# KiCad board dacboard.kicad_pcb
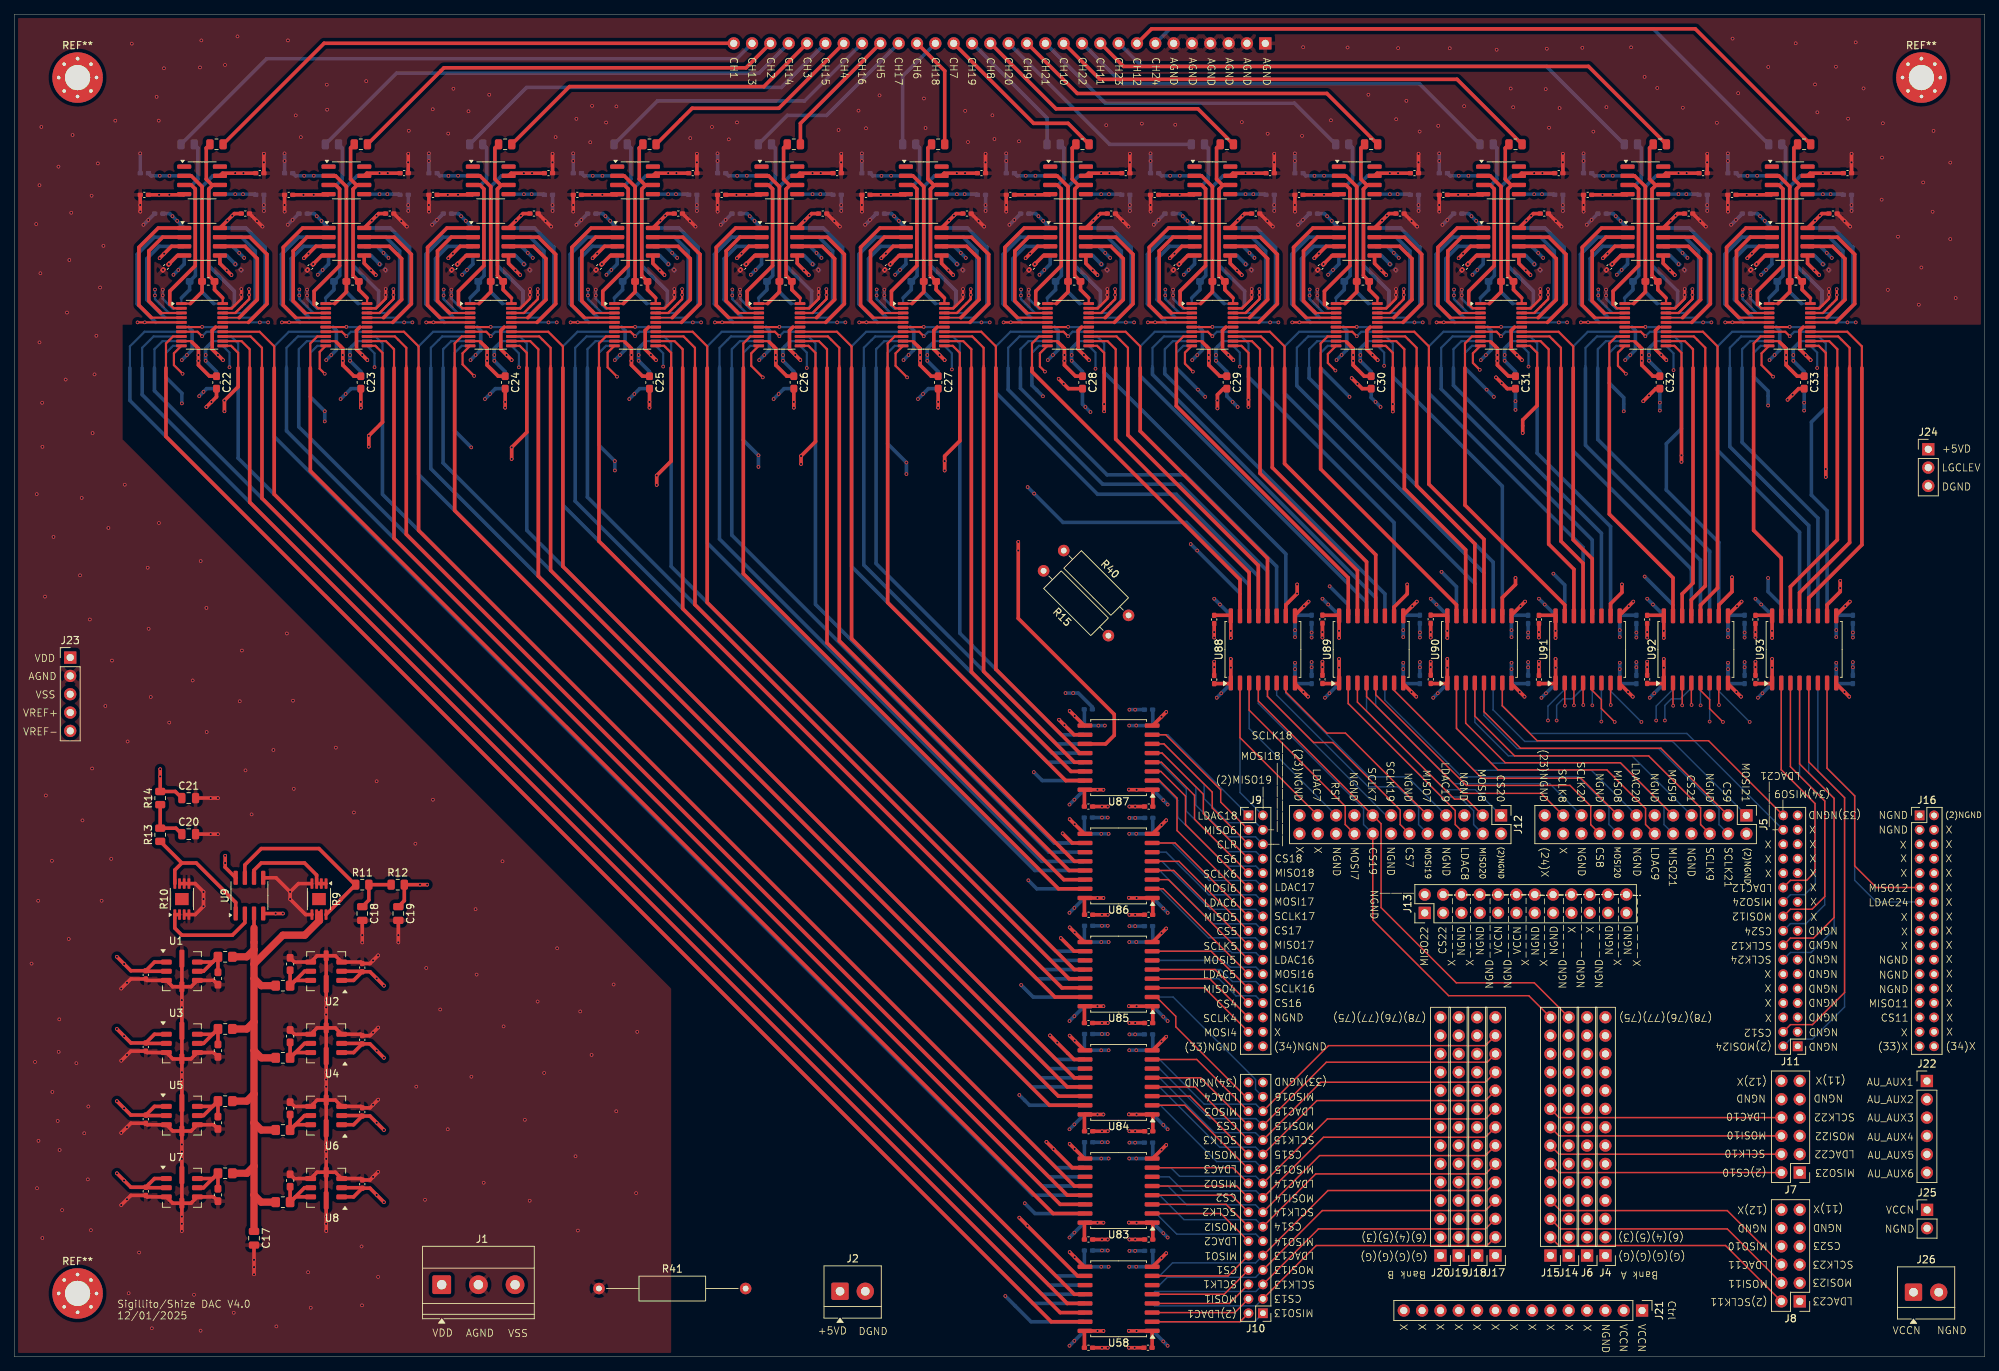
[diagram p0: board, top side]
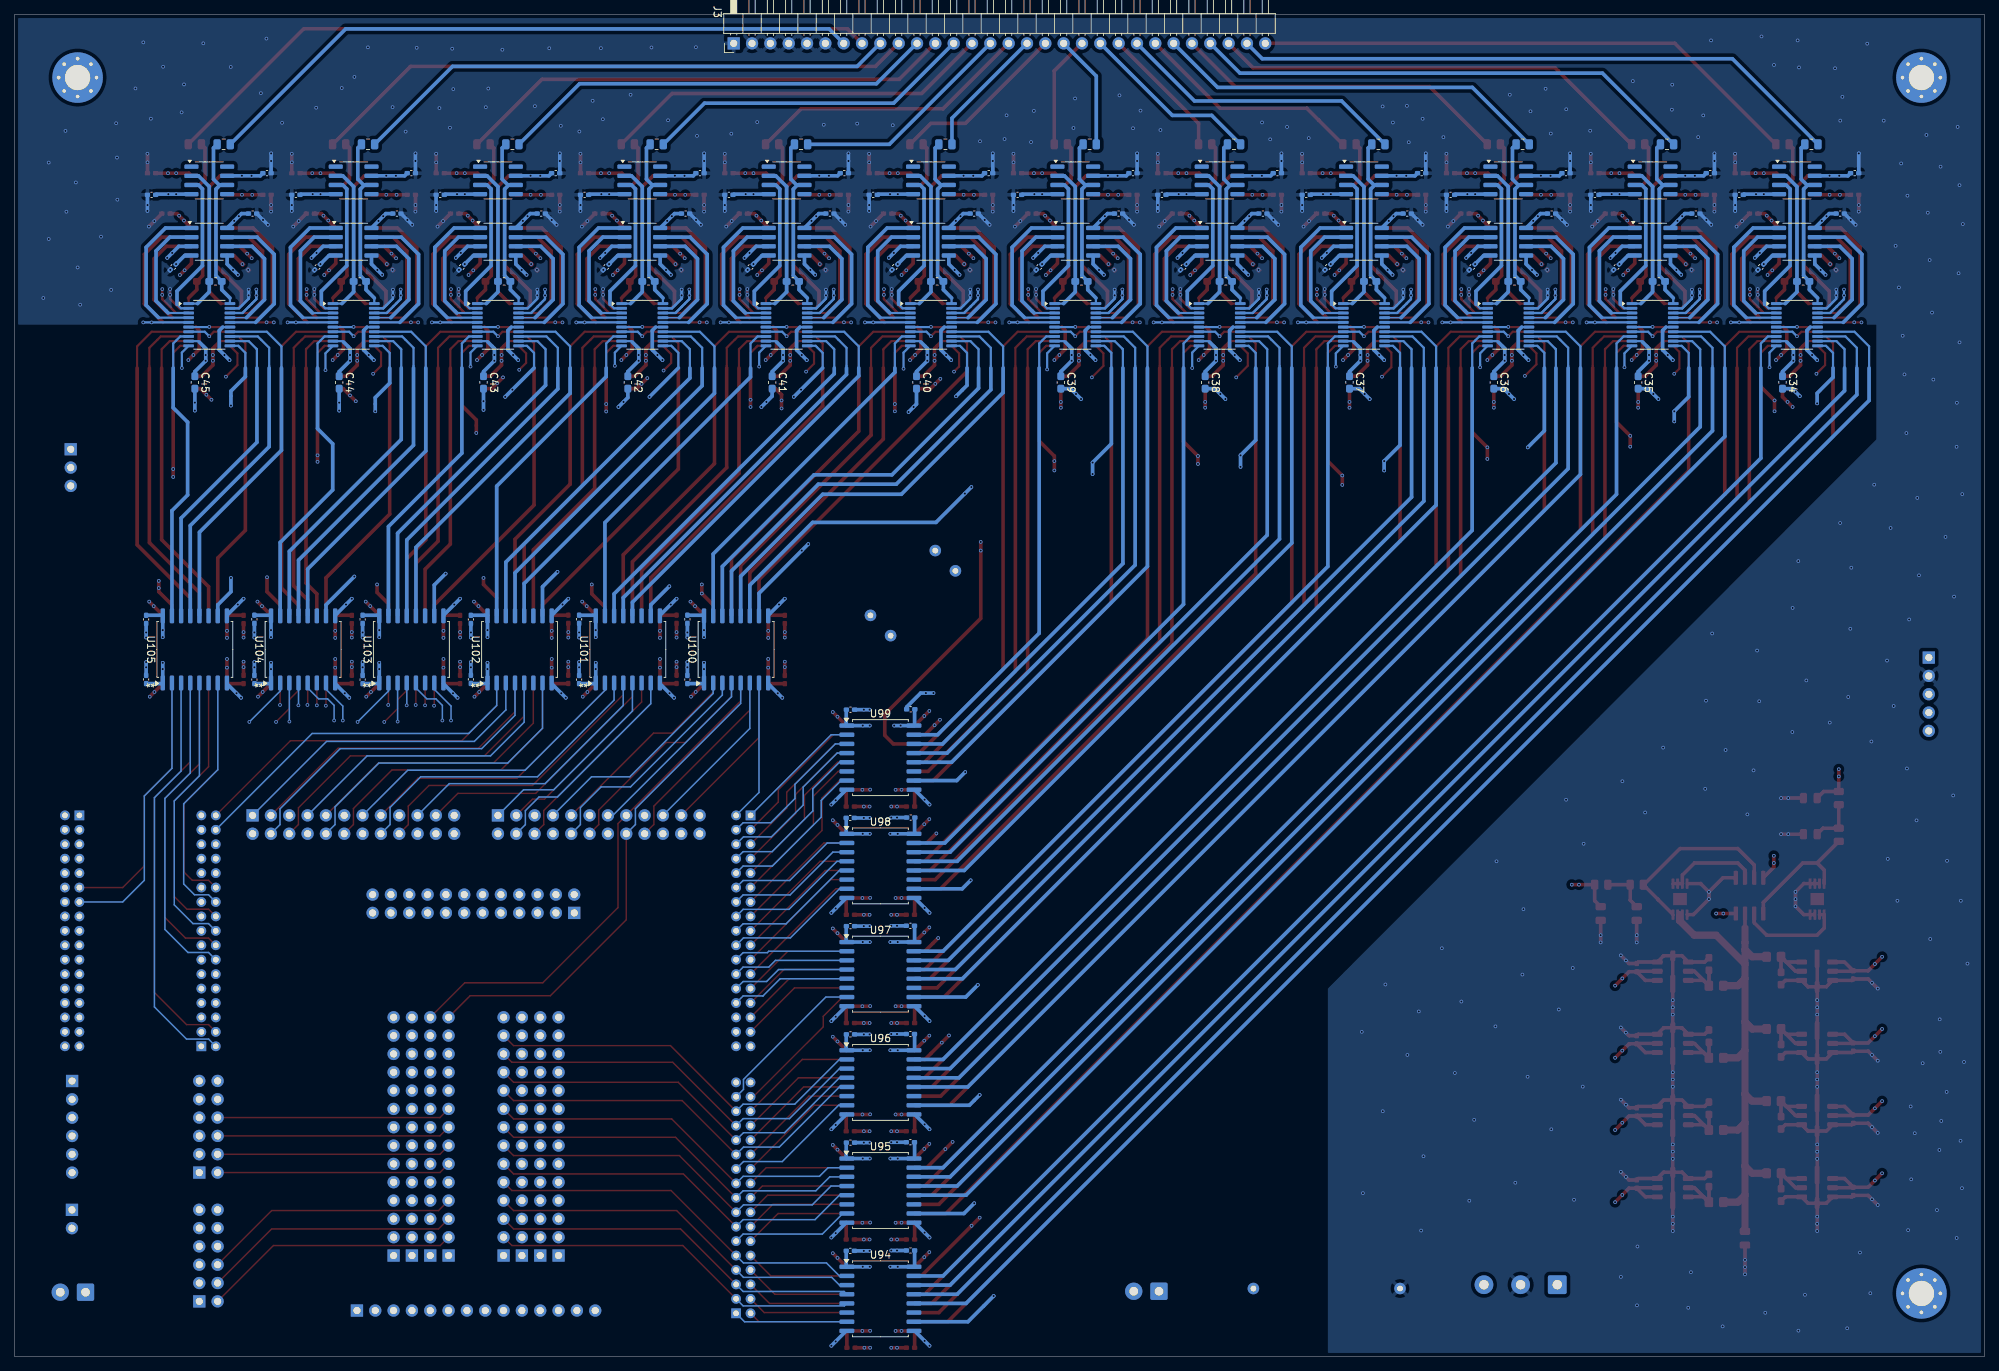
[diagram p1: board, bottom side, seen from below]

Outline 273 x 186 mm; copper layers: Top, In1.Cu, In2.Cu, In3.Cu, In4.Cu, In5.Cu, In6.Cu, In7.Cu, In8.Cu, In9.Cu, In10.Cu, In11.Cu, In12.Cu, Bottom. Coordinates in mm from the lower left corner of the outline.
Outline path: rectangle 0,186 273,0
Stack: Top 0.035mm / dielectric 0.0838mm FR4 er 4.5 / In1.Cu 0.035mm / dielectric 0.0838mm FR4 er 4.5 / In2.Cu 0.035mm / dielectric 0.0838mm FR4 er 4.5 / In3.Cu 0.035mm / dielectric 0.0838mm FR4 er 4.5 / In4.Cu 0.035mm / dielectric 0.0838mm FR4 er 4.5 / In5.Cu 0.035mm / dielectric 0.0838mm FR4 er 4.5 / In6.Cu 0.035mm / dielectric 0.0838mm FR4 er 4.5 / In7.Cu 0.035mm / dielectric 0.0838mm FR4 er 4.5 / In8.Cu 0.035mm / dielectric 0.0838mm FR4 er 4.5 / In9.Cu 0.035mm / dielectric 0.0838mm FR4 er 4.5 / In10.Cu 0.035mm / dielectric 0.0838mm FR4 er 4.5 / In11.Cu 0.035mm / dielectric 0.0838mm FR4 er 4.5 / In12.Cu 0.035mm / dielectric 0.0838mm FR4 er 4.5 / Bottom 0.035mm

## Placement (name value [footprint] x y rotation side)
C1  0.1uF  [C_0402_1005Metric_Pad0.74x0.62mm_HandSolder]  18.2 52.9 270 top
C2  10uF  [C_0603_1608Metric_Pad1.08x0.95mm_HandSolder]  28.2 52.4 270 top
C3  0.1uF  [C_0402_1005Metric_Pad0.74x0.62mm_HandSolder]  48.2 53.9 90 top
C4  10uF  [C_0603_1608Metric_Pad1.08x0.95mm_HandSolder]  38.2 54.4 90 top
C5  0.1uF  [C_0402_1005Metric_Pad0.74x0.62mm_HandSolder]  18.2 42.9 270 top
C6  10uF  [C_0603_1608Metric_Pad1.08x0.95mm_HandSolder]  28.2 42.4 270 top
C7  0.1uF  [C_0402_1005Metric_Pad0.74x0.62mm_HandSolder]  48.2 43.9 90 top
C8  10uF  [C_0603_1608Metric_Pad1.08x0.95mm_HandSolder]  38.2 44.4 90 top
C9  0.1uF  [C_0402_1005Metric_Pad0.74x0.62mm_HandSolder]  18.2 32.9 270 top
C10  10uF  [C_0603_1608Metric_Pad1.08x0.95mm_HandSolder]  28.2 32.4 270 top
C11  0.1uF  [C_0402_1005Metric_Pad0.74x0.62mm_HandSolder]  48.2 33.9 90 top
C12  10uF  [C_0603_1608Metric_Pad1.08x0.95mm_HandSolder]  38.2 34.4 90 top
C13  0.1uF  [C_0402_1005Metric_Pad0.74x0.62mm_HandSolder]  18.2 22.9 270 top
C14  10uF  [C_0603_1608Metric_Pad1.08x0.95mm_HandSolder]  28.2 22.4 270 top
C15  0.1uF  [C_0402_1005Metric_Pad0.74x0.62mm_HandSolder]  48.2 23.9 90 top
C16  10uF  [C_0603_1608Metric_Pad1.08x0.95mm_HandSolder]  38.2 24.4 90 top
C17  C  [C_0805_2012Metric]  33.2 16.4 270 top
C18  C  [C_0805_2012Metric]  48.2 61.4 270 top
C19  C  [C_0805_2012Metric]  53.2 61.4 270 top
C20  C  [C_0805_2012Metric]  24.15 72.4 0 top
C21  C  [C_0805_2012Metric]  24.15 77.4 0 top
C22  10uF  [C_0603_1608Metric_Pad1.08x0.95mm_HandSolder]  28 135 270 top
C23  10uF  [C_0603_1608Metric_Pad1.08x0.95mm_HandSolder]  48 135 270 top
C24  10uF  [C_0603_1608Metric_Pad1.08x0.95mm_HandSolder]  68 135 270 top
C25  10uF  [C_0603_1608Metric_Pad1.08x0.95mm_HandSolder]  88 135 270 top
C26  10uF  [C_0603_1608Metric_Pad1.08x0.95mm_HandSolder]  108 135 270 top
C27  10uF  [C_0603_1608Metric_Pad1.08x0.95mm_HandSolder]  128 135 270 top
C28  10uF  [C_0603_1608Metric_Pad1.08x0.95mm_HandSolder]  148 135 270 top
C29  10uF  [C_0603_1608Metric_Pad1.08x0.95mm_HandSolder]  168 135 270 top
C30  10uF  [C_0603_1608Metric_Pad1.08x0.95mm_HandSolder]  188 135 270 top
C31  10uF  [C_0603_1608Metric_Pad1.08x0.95mm_HandSolder]  208 135 270 top
C32  10uF  [C_0603_1608Metric_Pad1.08x0.95mm_HandSolder]  228 135 270 top
C33  10uF  [C_0603_1608Metric_Pad1.08x0.95mm_HandSolder]  248 135 270 top
C34  10uF  [C_0603_1608Metric_Pad1.08x0.95mm_HandSolder]  28 135 270 bottom
C35  10uF  [C_0603_1608Metric_Pad1.08x0.95mm_HandSolder]  48 135 270 bottom
C36  10uF  [C_0603_1608Metric_Pad1.08x0.95mm_HandSolder]  68 135 270 bottom
C37  10uF  [C_0603_1608Metric_Pad1.08x0.95mm_HandSolder]  88 135 270 bottom
C38  10uF  [C_0603_1608Metric_Pad1.08x0.95mm_HandSolder]  108 135 270 bottom
C39  10uF  [C_0603_1608Metric_Pad1.08x0.95mm_HandSolder]  128 135 270 bottom
C40  10uF  [C_0603_1608Metric_Pad1.08x0.95mm_HandSolder]  148 135 270 bottom
C41  10uF  [C_0603_1608Metric_Pad1.08x0.95mm_HandSolder]  168 135 270 bottom
C42  10uF  [C_0603_1608Metric_Pad1.08x0.95mm_HandSolder]  188 135 270 bottom
C43  10uF  [C_0603_1608Metric_Pad1.08x0.95mm_HandSolder]  208 135 270 bottom
C44  10uF  [C_0603_1608Metric_Pad1.08x0.95mm_HandSolder]  228 135 270 bottom
C45  10uF  [C_0603_1608Metric_Pad1.08x0.95mm_HandSolder]  248 135 270 bottom
C46  C  [C_0402_1005Metric_Pad0.74x0.62mm_HandSolder]  32 158.4 0 top
C47  10pF  [C_0603_1608Metric_Pad1.08x0.95mm_HandSolder]  26.86 149 0 top
C48  10pF  [C_0603_1608Metric_Pad1.08x0.95mm_HandSolder]  46.86 149 0 top
C49  10pF  [C_0603_1608Metric_Pad1.08x0.95mm_HandSolder]  66.86 149 0 top
C50  10pF  [C_0603_1608Metric_Pad1.08x0.95mm_HandSolder]  86.86 149 0 top
C51  10pF  [C_0603_1608Metric_Pad1.08x0.95mm_HandSolder]  106.86 149 0 top
C52  10pF  [C_0603_1608Metric_Pad1.08x0.95mm_HandSolder]  126.86 149 0 top
C53  10pF  [C_0603_1608Metric_Pad1.08x0.95mm_HandSolder]  146.86 149 0 top
C54  10pF  [C_0603_1608Metric_Pad1.08x0.95mm_HandSolder]  166.86 149 0 top
C55  10pF  [C_0603_1608Metric_Pad1.08x0.95mm_HandSolder]  186.86 149 0 top
C56  10pF  [C_0603_1608Metric_Pad1.08x0.95mm_HandSolder]  206.86 149 0 top
C57  10pF  [C_0603_1608Metric_Pad1.08x0.95mm_HandSolder]  226.86 149 0 top
C58  10pF  [C_0603_1608Metric_Pad1.08x0.95mm_HandSolder]  246.86 149 0 top
C59  10pF  [C_0603_1608Metric_Pad1.08x0.95mm_HandSolder]  25.14 149 180 bottom
C60  10pF  [C_0603_1608Metric_Pad1.08x0.95mm_HandSolder]  45.14 149 180 bottom
C61  10pF  [C_0603_1608Metric_Pad1.08x0.95mm_HandSolder]  65.14 149 180 bottom
C62  10pF  [C_0603_1608Metric_Pad1.08x0.95mm_HandSolder]  85.14 149 180 bottom
C63  10pF  [C_0603_1608Metric_Pad1.08x0.95mm_HandSolder]  105.14 149 180 bottom
C64  10pF  [C_0603_1608Metric_Pad1.08x0.95mm_HandSolder]  125.14 149 180 bottom
C65  10pF  [C_0603_1608Metric_Pad1.08x0.95mm_HandSolder]  145.14 149 180 bottom
C66  10pF  [C_0603_1608Metric_Pad1.08x0.95mm_HandSolder]  165.14 149 180 bottom
C67  10pF  [C_0603_1608Metric_Pad1.08x0.95mm_HandSolder]  185.14 149 180 bottom
C68  10pF  [C_0603_1608Metric_Pad1.08x0.95mm_HandSolder]  205.14 149 180 bottom
C69  10pF  [C_0603_1608Metric_Pad1.08x0.95mm_HandSolder]  225.14 149 180 bottom
C70  10pF  [C_0603_1608Metric_Pad1.08x0.95mm_HandSolder]  245.14 149 180 bottom
C71  C  [C_0402_1005Metric_Pad0.74x0.62mm_HandSolder]  52 158.4 0 top
C72  0.1uF  [C_0402_1005Metric_Pad0.74x0.62mm_HandSolder]  157.07 1.22 0 top
C73  0.1uF  [C_0402_1005Metric_Pad0.74x0.62mm_HandSolder]  148.83 1.22 180 top
C74  0.1uF  [C_0402_1005Metric_Pad0.74x0.62mm_HandSolder]  157.18 16.22 0 top
C75  0.1uF  [C_0402_1005Metric_Pad0.74x0.62mm_HandSolder]  148.83 16.22 180 top
C76  0.1uF  [C_0402_1005Metric_Pad0.74x0.62mm_HandSolder]  157.18 31.22 0 top
C77  0.1uF  [C_0402_1005Metric_Pad0.74x0.62mm_HandSolder]  148.85 31.22 180 top
C78  0.1uF  [C_0402_1005Metric_Pad0.74x0.62mm_HandSolder]  157.16 46.22 0 top
C79  0.1uF  [C_0402_1005Metric_Pad0.74x0.62mm_HandSolder]  157.16 61.22 0 top
C80  0.1uF  [C_0402_1005Metric_Pad0.74x0.62mm_HandSolder]  157.18 76.22 0 top
C81  0.1uF  [C_0402_1005Metric_Pad0.74x0.62mm_HandSolder]  148.83 46.22 180 top
C82  0.1uF  [C_0402_1005Metric_Pad0.74x0.62mm_HandSolder]  148.85 61.22 180 top
C83  0.1uF  [C_0402_1005Metric_Pad0.74x0.62mm_HandSolder]  148.82 76.22 180 top
C84  0.1uF  [C_0402_1005Metric_Pad0.74x0.62mm_HandSolder]  166.25 93.82 270 top
C85  0.1uF  [C_0402_1005Metric_Pad0.74x0.62mm_HandSolder]  181.25 93.85 270 top
C86  0.1uF  [C_0402_1005Metric_Pad0.74x0.62mm_HandSolder]  196.26 93.85 270 top
C87  0.1uF  [C_0402_1005Metric_Pad0.74x0.62mm_HandSolder]  166.25 102.15 90 top
C88  0.1uF  [C_0402_1005Metric_Pad0.74x0.62mm_HandSolder]  181.25 102.18 90 top
C89  0.1uF  [C_0402_1005Metric_Pad0.74x0.62mm_HandSolder]  196.25 102.18 90 top
C90  0.1uF  [C_0402_1005Metric_Pad0.74x0.62mm_HandSolder]  211.25 93.83 270 top
C91  0.1uF  [C_0402_1005Metric_Pad0.74x0.62mm_HandSolder]  226.25 93.85 270 top
C92  0.1uF  [C_0402_1005Metric_Pad0.74x0.62mm_HandSolder]  241.25 93.83 270 top
C93  0.1uF  [C_0402_1005Metric_Pad0.74x0.62mm_HandSolder]  211.25 102.15 90 top
C94  0.1uF  [C_0402_1005Metric_Pad0.74x0.62mm_HandSolder]  226.25 102.15 90 top
C95  0.1uF  [C_0402_1005Metric_Pad0.74x0.62mm_HandSolder]  241.25 102.15 90 top
C96  0.1uF  [C_0402_1005Metric_Pad0.74x0.62mm_HandSolder]  157.17 14.65 0 bottom
C97  0.1uF  [C_0402_1005Metric_Pad0.74x0.62mm_HandSolder]  157.15 29.65 0 bottom
C98  0.1uF  [C_0402_1005Metric_Pad0.74x0.62mm_HandSolder]  157.15 44.65 0 bottom
C99  0.1uF  [C_0402_1005Metric_Pad0.74x0.62mm_HandSolder]  148.83 14.7 180 bottom
C100  0.1uF  [C_0402_1005Metric_Pad0.74x0.62mm_HandSolder]  148.85 29.7 180 bottom
C101  0.1uF  [C_0402_1005Metric_Pad0.74x0.62mm_HandSolder]  148.85 44.7 180 bottom
C102  0.1uF  [C_0402_1005Metric_Pad0.74x0.62mm_HandSolder]  157.15 59.65 0 bottom
C103  0.1uF  [C_0402_1005Metric_Pad0.74x0.62mm_HandSolder]  157.18 74.65 0 bottom
C104  0.1uF  [C_0402_1005Metric_Pad0.74x0.62mm_HandSolder]  157.15 89.65 0 bottom
C105  0.1uF  [C_0402_1005Metric_Pad0.74x0.62mm_HandSolder]  148.85 59.7 180 bottom
C106  0.1uF  [C_0402_1005Metric_Pad0.74x0.62mm_HandSolder]  148.8 74.7 180 bottom
C107  0.1uF  [C_0402_1005Metric_Pad0.74x0.62mm_HandSolder]  148.8 89.7 180 bottom
C108  0.1uF  [C_0402_1005Metric_Pad0.74x0.62mm_HandSolder]  179.75 93.83 270 bottom
C109  0.1uF  [C_0402_1005Metric_Pad0.74x0.62mm_HandSolder]  194.75 93.83 270 bottom
C110  0.1uF  [C_0402_1005Metric_Pad0.74x0.62mm_HandSolder]  209.75 93.85 270 bottom
C111  0.1uF  [C_0402_1005Metric_Pad0.74x0.62mm_HandSolder]  179.75 102.17 90 bottom
C112  0.1uF  [C_0402_1005Metric_Pad0.74x0.62mm_HandSolder]  194.75 102.17 90 bottom
C113  0.1uF  [C_0402_1005Metric_Pad0.74x0.62mm_HandSolder]  209.75 102.16 90 bottom
C114  0.1uF  [C_0402_1005Metric_Pad0.74x0.62mm_HandSolder]  224.75 93.82 270 bottom
C115  0.1uF  [C_0402_1005Metric_Pad0.74x0.62mm_HandSolder]  239.75 93.83 270 bottom
C116  0.1uF  [C_0402_1005Metric_Pad0.74x0.62mm_HandSolder]  254.75 93.83 270 bottom
C117  0.1uF  [C_0402_1005Metric_Pad0.74x0.62mm_HandSolder]  224.75 102.17 90 bottom
C118  0.1uF  [C_0402_1005Metric_Pad0.74x0.62mm_HandSolder]  239.75 102.17 90 bottom
C119  0.1uF  [C_0402_1005Metric_Pad0.74x0.62mm_HandSolder]  254.75 102.16 90 bottom
C120  C  [C_0402_1005Metric_Pad0.74x0.62mm_HandSolder]  72 158.4 0 top
C121  C  [C_0402_1005Metric_Pad0.74x0.62mm_HandSolder]  92 158.4 0 top
C122  C  [C_0402_1005Metric_Pad0.74x0.62mm_HandSolder]  112 158.4 0 top
C123  C  [C_0402_1005Metric_Pad0.74x0.62mm_HandSolder]  132 158.4 0 top
C124  C  [C_0402_1005Metric_Pad0.74x0.62mm_HandSolder]  21 151 225 top
C125  C  [C_0402_1005Metric_Pad0.74x0.62mm_HandSolder]  41 151 225 top
C126  C  [C_0402_1005Metric_Pad0.74x0.62mm_HandSolder]  61 151 225 top
C127  C  [C_0402_1005Metric_Pad0.74x0.62mm_HandSolder]  81 151 225 top
C128  C  [C_0402_1005Metric_Pad0.74x0.62mm_HandSolder]  101 151 225 top
C129  C  [C_0402_1005Metric_Pad0.74x0.62mm_HandSolder]  121 151 225 top
C130  C  [C_0402_1005Metric_Pad0.74x0.62mm_HandSolder]  152 158.4 0 top
C131  C  [C_0402_1005Metric_Pad0.74x0.62mm_HandSolder]  141 151 225 top
C132  C  [C_0402_1005Metric_Pad0.74x0.62mm_HandSolder]  172 158.4 0 top
C133  C  [C_0402_1005Metric_Pad0.74x0.62mm_HandSolder]  161 151 225 top
C134  C  [C_0402_1005Metric_Pad0.74x0.62mm_HandSolder]  192 158.4 0 top
C135  C  [C_0402_1005Metric_Pad0.74x0.62mm_HandSolder]  181 151 225 top
C136  C  [C_0402_1005Metric_Pad0.74x0.62mm_HandSolder]  212 158.4 0 top
C137  C  [C_0402_1005Metric_Pad0.74x0.62mm_HandSolder]  201 151 225 top
C138  C  [C_0402_1005Metric_Pad0.74x0.62mm_HandSolder]  232 158.4 0 top
C139  C  [C_0402_1005Metric_Pad0.74x0.62mm_HandSolder]  221 151 225 top
C140  C  [C_0402_1005Metric_Pad0.74x0.62mm_HandSolder]  252 158.4 0 top
C141  C  [C_0402_1005Metric_Pad0.74x0.62mm_HandSolder]  241 151 225 top
C142  C  [C_0402_1005Metric_Pad0.74x0.62mm_HandSolder]  20 158.4 180 bottom
C143  C  [C_0402_1005Metric_Pad0.74x0.62mm_HandSolder]  251 151 315 bottom
C144  C  [C_0402_1005Metric_Pad0.74x0.62mm_HandSolder]  40 158.4 180 bottom
C145  C  [C_0402_1005Metric_Pad0.74x0.62mm_HandSolder]  231 151 315 bottom
C146  C  [C_0402_1005Metric_Pad0.74x0.62mm_HandSolder]  60 158.4 180 bottom
C147  C  [C_0402_1005Metric_Pad0.74x0.62mm_HandSolder]  211 151 315 bottom
C148  C  [C_0402_1005Metric_Pad0.74x0.62mm_HandSolder]  80 158.4 180 bottom
C149  C  [C_0402_1005Metric_Pad0.74x0.62mm_HandSolder]  191 151 315 bottom
C150  C  [C_0402_1005Metric_Pad0.74x0.62mm_HandSolder]  100 158.4 180 bottom
C151  C  [C_0402_1005Metric_Pad0.74x0.62mm_HandSolder]  171 151 315 bottom
C152  C  [C_0402_1005Metric_Pad0.74x0.62mm_HandSolder]  120 158.4 180 bottom
C153  C  [C_0402_1005Metric_Pad0.74x0.62mm_HandSolder]  151 151 315 bottom
C154  C  [C_0402_1005Metric_Pad0.74x0.62mm_HandSolder]  140 158.4 180 bottom
C155  C  [C_0402_1005Metric_Pad0.74x0.62mm_HandSolder]  131 151 315 bottom
C156  C  [C_0402_1005Metric_Pad0.74x0.62mm_HandSolder]  160 158.4 180 bottom
C157  C  [C_0402_1005Metric_Pad0.74x0.62mm_HandSolder]  111 151 315 bottom
C158  C  [C_0402_1005Metric_Pad0.74x0.62mm_HandSolder]  180 158.4 180 bottom
C159  C  [C_0402_1005Metric_Pad0.74x0.62mm_HandSolder]  91 151 315 bottom
C160  C  [C_0402_1005Metric_Pad0.74x0.62mm_HandSolder]  200 158.4 180 bottom
C161  C  [C_0402_1005Metric_Pad0.74x0.62mm_HandSolder]  71 151 315 bottom
C162  C  [C_0402_1005Metric_Pad0.74x0.62mm_HandSolder]  220 158.4 180 bottom
C163  C  [C_0402_1005Metric_Pad0.74x0.62mm_HandSolder]  51 151 315 bottom
C164  C  [C_0402_1005Metric_Pad0.74x0.62mm_HandSolder]  240 158.4 180 bottom
C165  C  [C_0402_1005Metric_Pad0.74x0.62mm_HandSolder]  31 151 315 bottom
C166  C  [C_0402_1005Metric_Pad0.74x0.62mm_HandSolder]  34 164 0 top
C167  C  [C_0402_1005Metric_Pad0.74x0.62mm_HandSolder]  18 161 180 top
C168  C  [C_0402_1005Metric_Pad0.74x0.62mm_HandSolder]  54 164 0 top
C169  C  [C_0402_1005Metric_Pad0.74x0.62mm_HandSolder]  38 161 180 top
C170  C  [C_0402_1005Metric_Pad0.74x0.62mm_HandSolder]  74 164 0 top
C171  C  [C_0402_1005Metric_Pad0.74x0.62mm_HandSolder]  58 161 180 top
C172  C  [C_0402_1005Metric_Pad0.74x0.62mm_HandSolder]  94 164 0 top
C173  C  [C_0402_1005Metric_Pad0.74x0.62mm_HandSolder]  78 161 180 top
C174  C  [C_0402_1005Metric_Pad0.74x0.62mm_HandSolder]  114 164 0 top
C175  C  [C_0402_1005Metric_Pad0.74x0.62mm_HandSolder]  98 161 180 top
C176  C  [C_0402_1005Metric_Pad0.74x0.62mm_HandSolder]  134 164 0 top
C177  C  [C_0402_1005Metric_Pad0.74x0.62mm_HandSolder]  118 161 180 top
C178  C  [C_0402_1005Metric_Pad0.74x0.62mm_HandSolder]  154 164 0 top
C179  C  [C_0402_1005Metric_Pad0.74x0.62mm_HandSolder]  138 161 180 top
C180  C  [C_0402_1005Metric_Pad0.74x0.62mm_HandSolder]  174 164 0 top
C181  C  [C_0402_1005Metric_Pad0.74x0.62mm_HandSolder]  158 161 180 top
C182  C  [C_0402_1005Metric_Pad0.74x0.62mm_HandSolder]  194 164 0 top
C183  C  [C_0402_1005Metric_Pad0.74x0.62mm_HandSolder]  178 161 180 top
C184  C  [C_0402_1005Metric_Pad0.74x0.62mm_HandSolder]  214 164 0 top
C185  C  [C_0402_1005Metric_Pad0.74x0.62mm_HandSolder]  198 161 180 top
C186  C  [C_0402_1005Metric_Pad0.74x0.62mm_HandSolder]  234 164 0 top
C187  C  [C_0402_1005Metric_Pad0.74x0.62mm_HandSolder]  218 161 180 top
C188  C  [C_0402_1005Metric_Pad0.74x0.62mm_HandSolder]  254 164 0 top
C189  C  [C_0402_1005Metric_Pad0.74x0.62mm_HandSolder]  238 161 180 top
C190  C  [C_0402_1005Metric_Pad0.74x0.62mm_HandSolder]  18 164 180 bottom
C191  C  [C_0402_1005Metric_Pad0.74x0.62mm_HandSolder]  34 161 0 bottom
C192  C  [C_0402_1005Metric_Pad0.74x0.62mm_HandSolder]  38 164 180 bottom
C193  C  [C_0402_1005Metric_Pad0.74x0.62mm_HandSolder]  54 161 0 bottom
C194  C  [C_0402_1005Metric_Pad0.74x0.62mm_HandSolder]  58 164 180 bottom
C195  C  [C_0402_1005Metric_Pad0.74x0.62mm_HandSolder]  74 161 0 bottom
C196  C  [C_0402_1005Metric_Pad0.74x0.62mm_HandSolder]  78 164 180 bottom
C197  C  [C_0402_1005Metric_Pad0.74x0.62mm_HandSolder]  94 161 0 bottom
C198  C  [C_0402_1005Metric_Pad0.74x0.62mm_HandSolder]  98 164 180 bottom
C199  C  [C_0402_1005Metric_Pad0.74x0.62mm_HandSolder]  114 161 0 bottom
C200  C  [C_0402_1005Metric_Pad0.74x0.62mm_HandSolder]  118 164 180 bottom
C201  C  [C_0402_1005Metric_Pad0.74x0.62mm_HandSolder]  134 161 0 bottom
C202  C  [C_0402_1005Metric_Pad0.74x0.62mm_HandSolder]  138 164 180 bottom
C203  C  [C_0402_1005Metric_Pad0.74x0.62mm_HandSolder]  154 161 0 bottom
C204  C  [C_0402_1005Metric_Pad0.74x0.62mm_HandSolder]  158 164 180 bottom
C205  C  [C_0402_1005Metric_Pad0.74x0.62mm_HandSolder]  174 161 0 bottom
C206  C  [C_0402_1005Metric_Pad0.74x0.62mm_HandSolder]  178 164 180 bottom
C207  C  [C_0402_1005Metric_Pad0.74x0.62mm_HandSolder]  194 161 0 bottom
C208  C  [C_0402_1005Metric_Pad0.74x0.62mm_HandSolder]  198 164 180 bottom
C209  C  [C_0402_1005Metric_Pad0.74x0.62mm_HandSolder]  214 161 0 bottom
C210  C  [C_0402_1005Metric_Pad0.74x0.62mm_HandSolder]  218 164 180 bottom
C211  C  [C_0402_1005Metric_Pad0.74x0.62mm_HandSolder]  234 161 0 bottom
C212  C  [C_0402_1005Metric_Pad0.74x0.62mm_HandSolder]  238 164 180 bottom
C213  C  [C_0402_1005Metric_Pad0.74x0.62mm_HandSolder]  254 161 0 bottom
J1  Screw_Terminal_01x03  [TerminalBlock_Phoenix_MKDS-1,5-3-5.08_1x03_P5.08mm_Horizontal]  59.21 9.96 0 top
J2  Screw_Terminal_01x02  [TerminalBlock_4Ucon_1x02_P3.50mm_Horizontal]  114.4 9.05 0 top
J3  Conn_01x30_Socket  [PinHeader_1x30_P2.54mm_Horizontal]  173.33 181.99 90 bottom
J4  Conn_01x14  [PinHeader_1x14_P2.54mm_Vertical]  220.46 14 180 top
J5  Conn_02x12_Odd_Even  [PinHeader_2x12_P2.54mm_Vertical]  240 75 270 top
J6  Conn_01x14  [PinHeader_1x14_P2.54mm_Vertical]  217.92 14 180 top
J7  Conn_02x06_Odd_Even  [PinHeader_2x06_P2.54mm_Vertical]  247.39 25.5 180 top
J8  Conn_02x06_Odd_Even  [PinHeader_2x06_P2.54mm_Vertical]  247.39 7.65 180 top
J9  Conn_02x17_Odd_Even  [PinHeader_2x17_P2.00mm_Vertical]  171 75 0 top
J10  Conn_02x17_Odd_Even  [PinHeader_2x17_P2.00mm_Vertical]  173 6 180 top
J11  Conn_02x17_Odd_Even  [PinHeader_2x17_P2.00mm_Vertical]  247.1 43 180 top
J12  Conn_02x12_Odd_Even  [PinHeader_2x12_P2.54mm_Vertical]  206 75 270 top
J13  Conn_02x12_Odd_Even  [PinHeader_2x12_P2.54mm_Vertical]  195.43 61.49 90 top
J14  Conn_01x14  [PinHeader_1x14_P2.54mm_Vertical]  215.38 14 180 top
J15  Conn_01x14  [PinHeader_1x14_P2.54mm_Vertical]  212.84 14 180 top
J16  Conn_02x17_Odd_Even  [PinHeader_2x17_P2.00mm_Vertical]  264 75 0 top
J17  Conn_01x14  [PinHeader_1x14_P2.54mm_Vertical]  205.22 14 180 top
J18  Conn_01x14  [PinHeader_1x14_P2.54mm_Vertical]  202.68 14 180 top
J19  Conn_01x14  [PinHeader_1x14_P2.54mm_Vertical]  200.14 14 180 top
J20  Conn_01x14  [PinHeader_1x14_P2.54mm_Vertical]  197.6 14 180 top
J21  Conn_01x14  [PinHeader_1x14_P2.54mm_Vertical]  225.54 6.38 270 top
J22  Conn_01x06  [PinHeader_1x06_P2.54mm_Vertical]  265.01 38.19 0 top
J23  Conn_01x05  [PinHeader_1x05_P2.54mm_Vertical]  7.73 96.87 0 top
J24  Conn_01x03  [PinHeader_1x03_P2.54mm_Vertical]  265.2 125.74 0 top
J25  Conn_01x02  [PinHeader_1x02_P2.54mm_Vertical]  265.03 20.33 0 top
J26  Screw_Terminal_01x02  [TerminalBlock_4Ucon_1x02_P3.50mm_Horizontal]  263.15 8.92 0 top
R1  32.4ohm  [R_0805_2012Metric_Pad1.20x1.40mm_HandSolder]  29.2 55.4 0 top
R2  32.4ohm  [R_0805_2012Metric_Pad1.20x1.40mm_HandSolder]  37.2 51.4 180 top
R3  32.4ohm  [R_0805_2012Metric_Pad1.20x1.40mm_HandSolder]  29.2 45.4 0 top
R4  32.4ohm  [R_0805_2012Metric_Pad1.20x1.40mm_HandSolder]  37.2 41.4 180 top
R5  32.4ohm  [R_0805_2012Metric_Pad1.20x1.40mm_HandSolder]  29.2 35.4 0 top
R6  32.4ohm  [R_0805_2012Metric_Pad1.20x1.40mm_HandSolder]  37.2 31.4 180 top
R7  32.4ohm  [R_0805_2012Metric_Pad1.20x1.40mm_HandSolder]  29.2 25.4 0 top
R8  32.4ohm  [R_0805_2012Metric_Pad1.20x1.40mm_HandSolder]  37.2 21.4 180 top
R9  LT5400BCMS8E-7_PBF  [MSOP-8-1EP_3x3mm_P0.65mm_EP1.68x1.88mm]  42.2 63.4 270 top
R10  LT5400BCMS8E-7_PBF  [MSOP-8-1EP_3x3mm_P0.65mm_EP1.68x1.88mm]  23.2 63.4 90 top
R11  R_US  [R_0805_2012Metric]  48.2 65.4 0 top
R12  R_US  [R_0805_2012Metric]  53.11 65.4 0 top